# KiCad board robot-hub_rev3.kicad_pcb
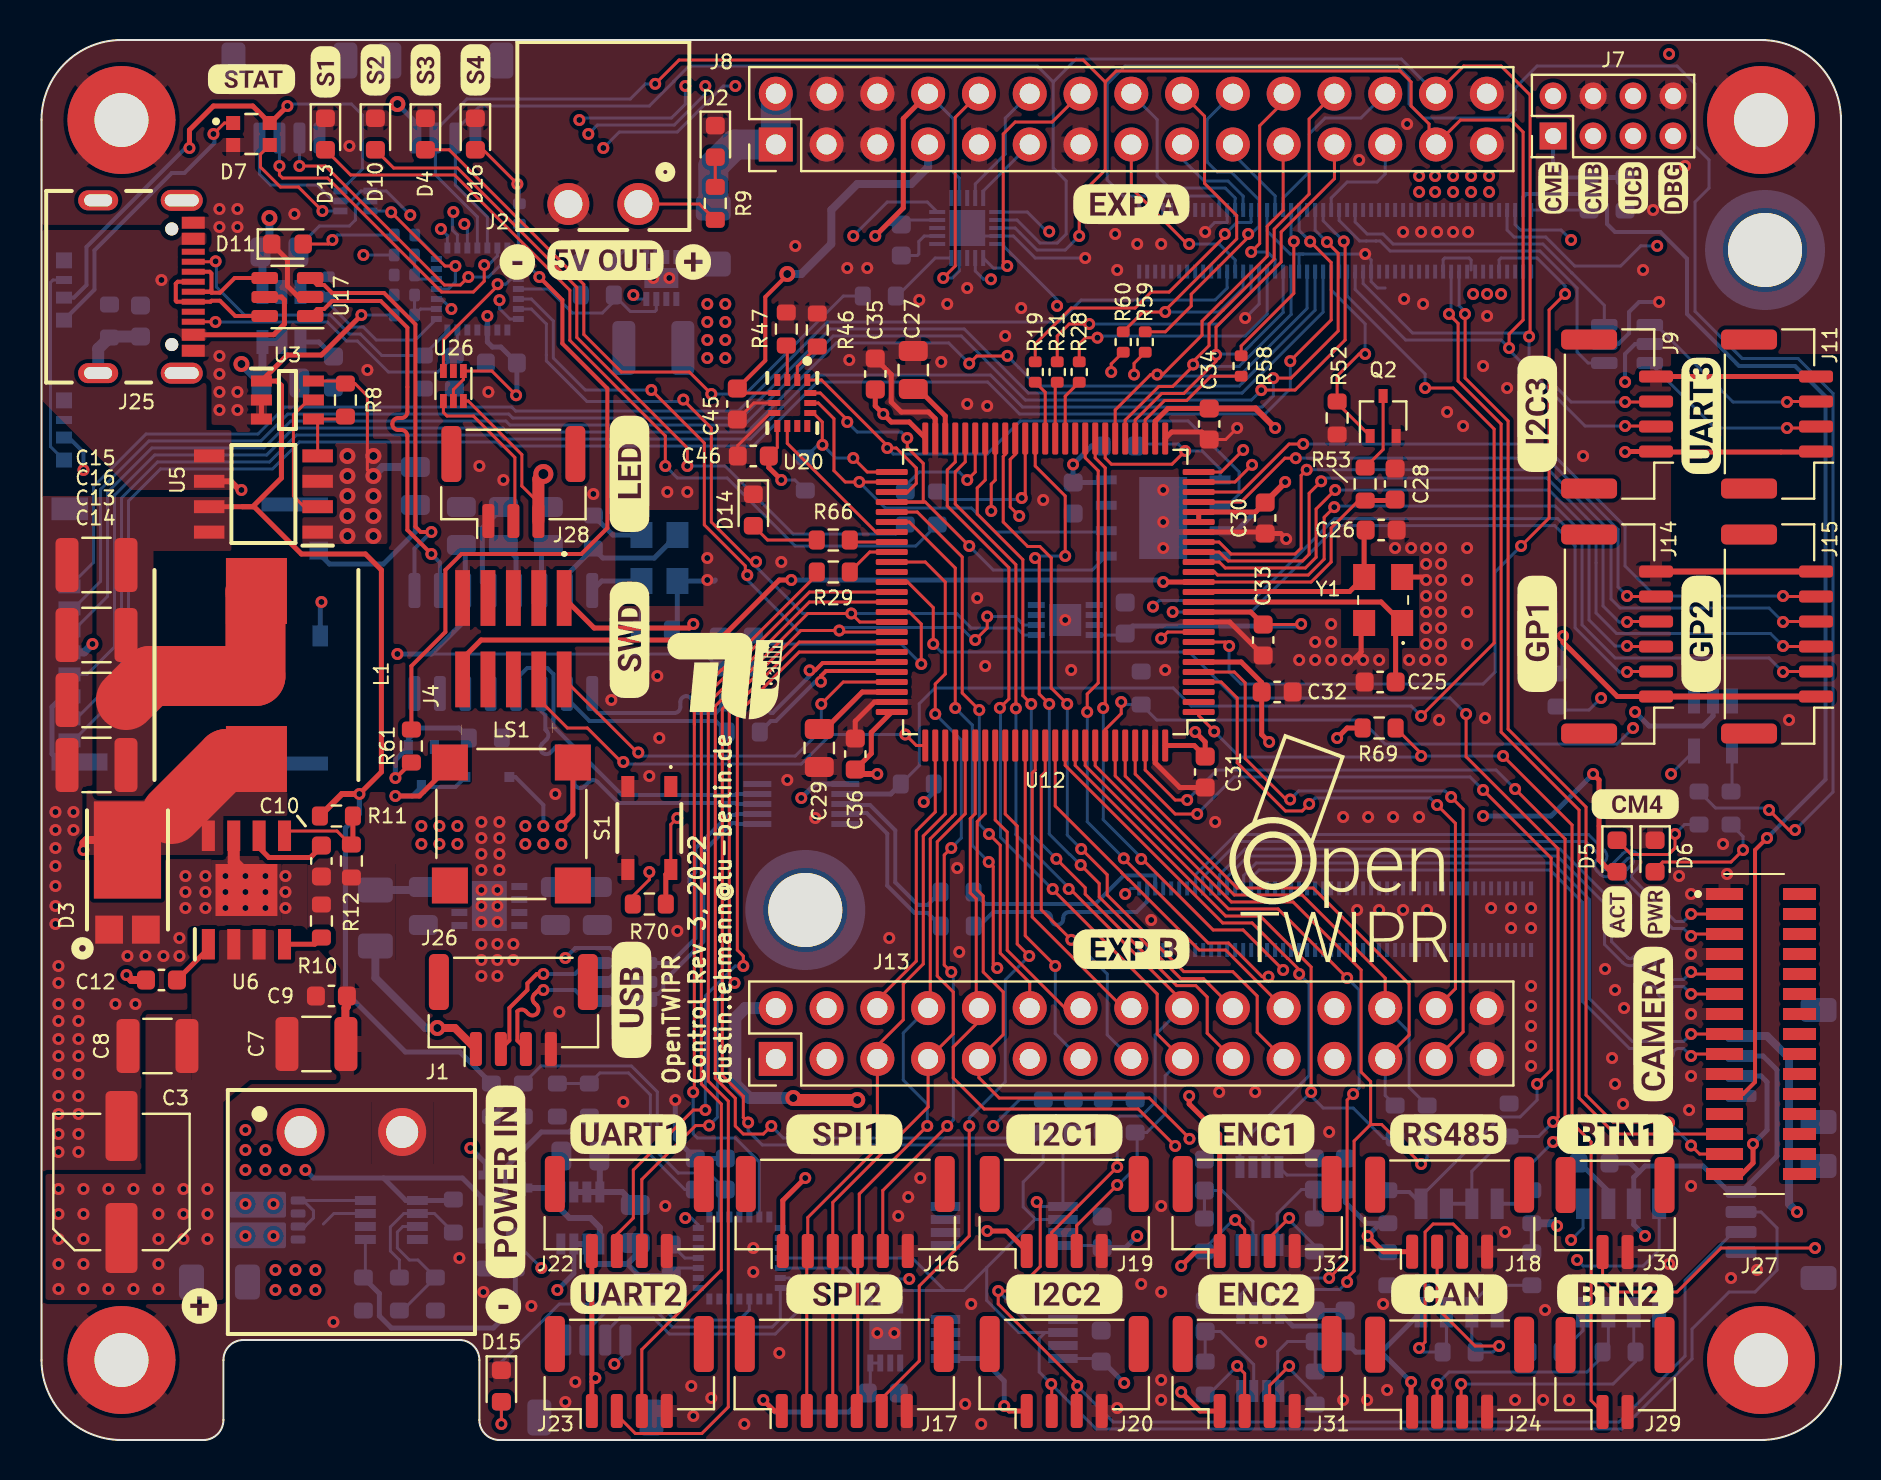
[diagram p0: board, top side]
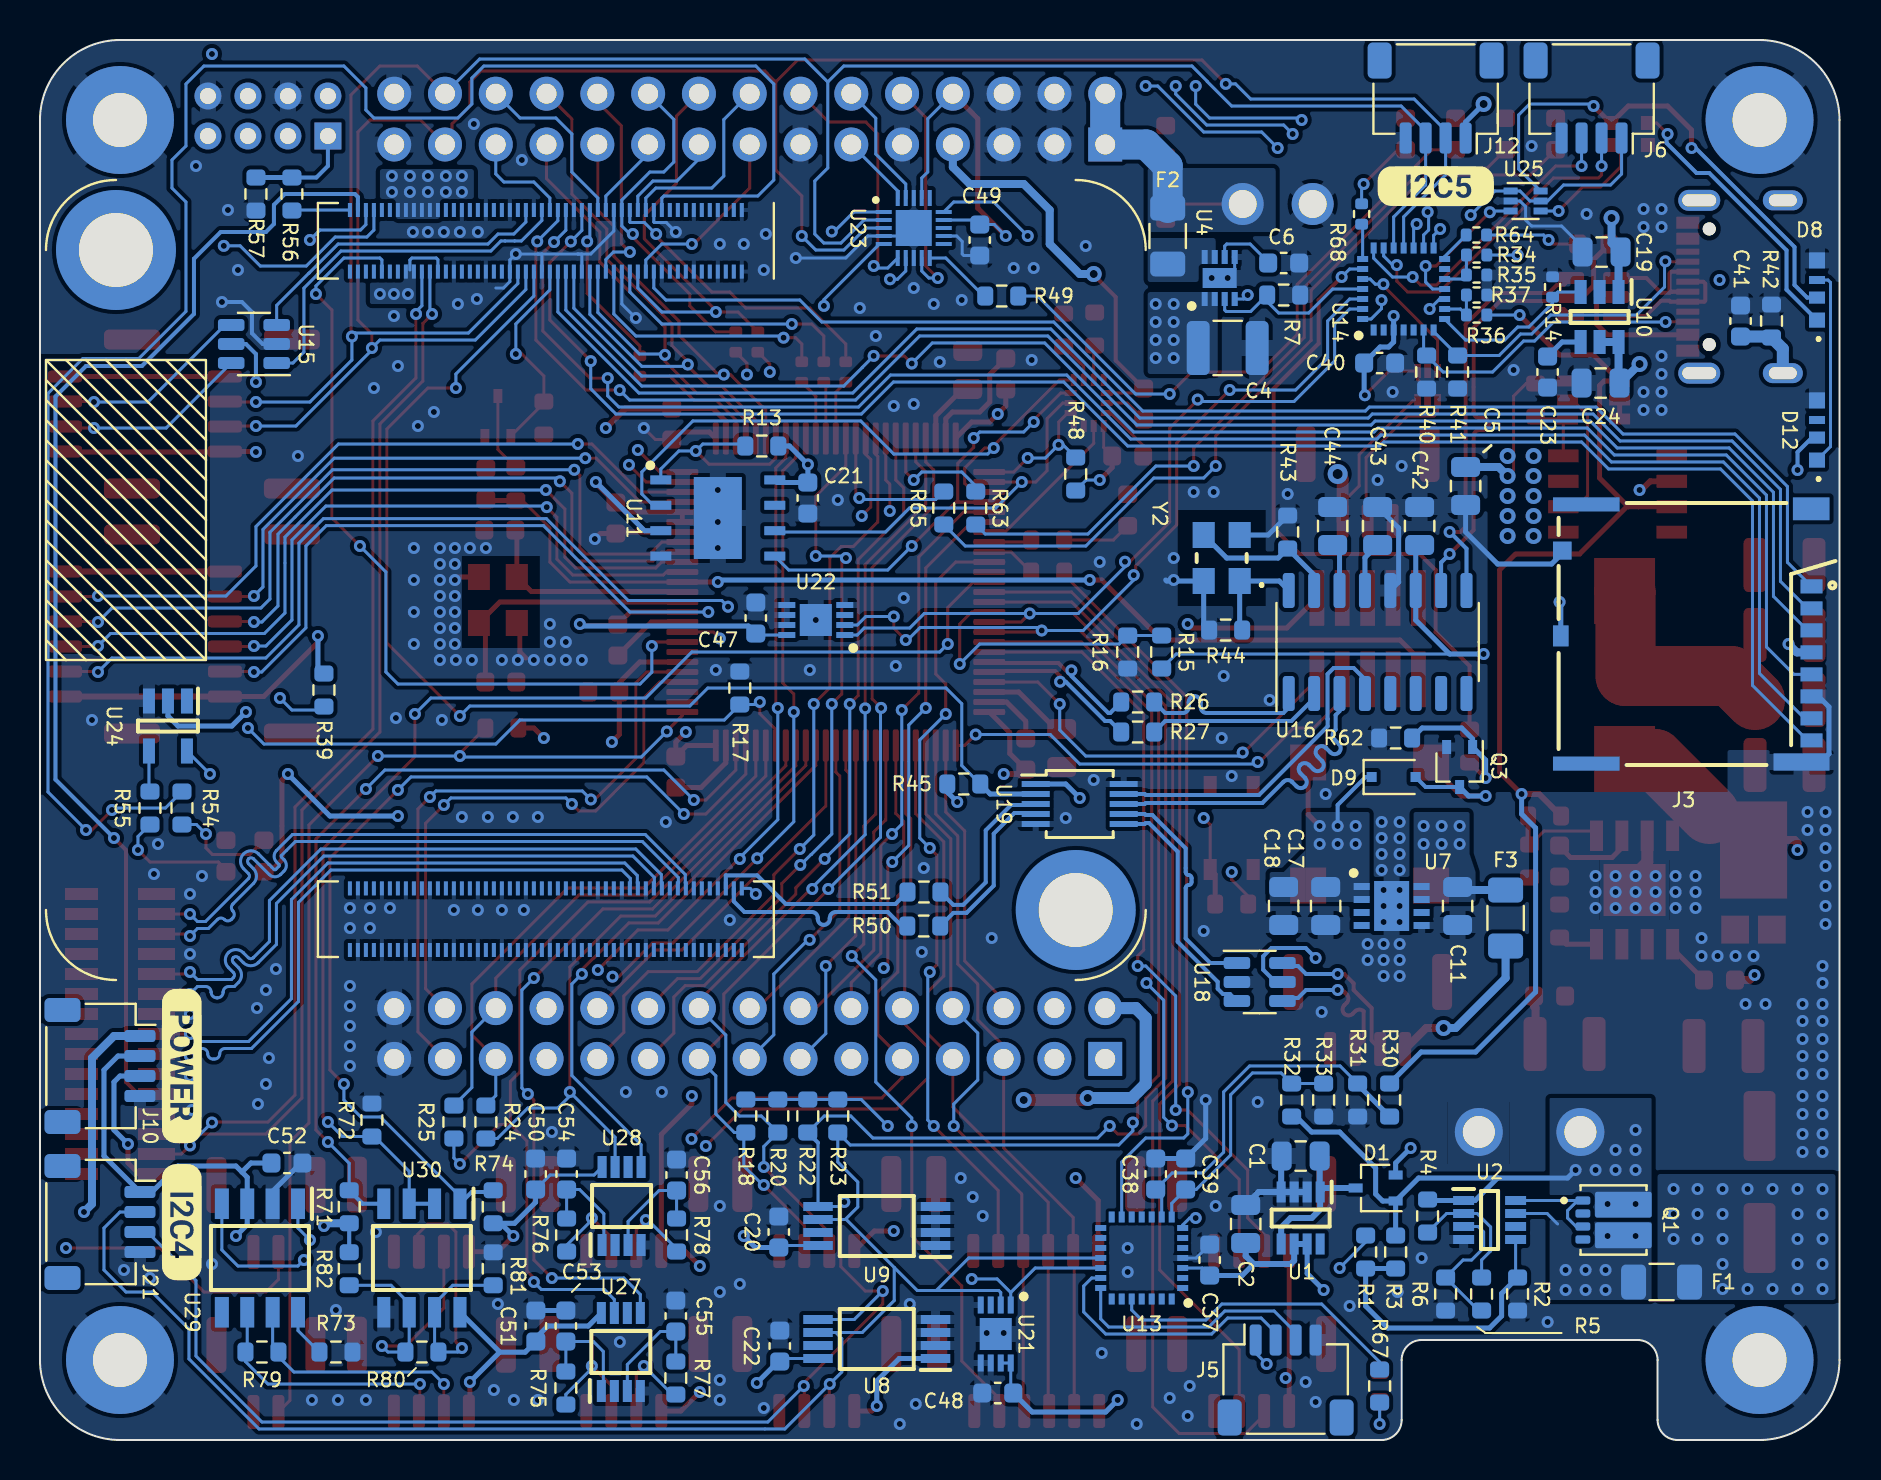
[diagram p1: board, bottom side, seen from below]

Outline 90 x 70 mm; copper layers: Top, In1.Cu, In2.Cu, Bottom. Coordinates in mm from the lower left corner of the outline.
Outline path: 0,66 0,4 arc(1.17,1.17) 4,0 8.1,0 arc(8.81,0.29) 9.1,1 9.1,4 arc(9.39,4.71) 10.1,5 20.9,5 arc(21.61,4.71) 21.9,4 21.9,1 arc(22.19,0.29) 22.9,0 86,0 arc(88.83,1.17) 90,4 90,66 arc(88.83,68.83) 86,70 4,70 arc(1.17,68.83) 0,66
Stack: Top 0.035mm / dielectric 0.5mm FR4 er 4.5 / In1.Cu 0.035mm / dielectric 0.5mm FR4 er 4.5 / In2.Cu 0.035mm / dielectric 0.5mm FR4 er 4.5 / Bottom 0.035mm

## Placement (name value [footprint] x y rotation side)
C1  1u  [C_0805_2012Metric]  26.95 14.2 0 bottom
C2  2u2  [C_0805_2012Metric]  29.7 10.8 90 bottom
C3  47uF  [CP_Elec_6.3x5.2]  4 12.9 90 top
C4  4.7u/50V  [C_1210_3225Metric]  30.6 54.6 180 bottom
C5  10u  [C_0805_2012Metric]  18.7 47.7 270 bottom
C6  220p  [C_0603_1608Metric]  27.8 58.85 0 bottom
C7  4.7u/50V  [C_1210_3225Metric]  13.75 19.8 0 top
C8  4.7u/50V  [C_1210_3225Metric]  5.8 19.7 180 top
C9  0.22u/50V  [C_0603_1608Metric]  14.5 22.2 0 top
C10  22nF  [C_0603_1608Metric]  14 28.95 270 top
C11  1u  [C_0805_2012Metric]  19.1 26.7 270 bottom
C12  100n / 16V  [C_0603_1608Metric]  6 23 180 top
C13  4x 47uF / 16V / X7R  [C_1210_3225Metric]  2.75 37 180 top
C14  C_Small  [C_1210_3225Metric]  2.75 33.75 180 top
C15  C_Small  [C_1210_3225Metric]  2.75 43.75 180 top
C16  C_Small  [C_1210_3225Metric]  2.75 40.25 180 top
C17  10u  [C_0805_2012Metric]  25.7 26.7 270 bottom
C18  10u  [C_0805_2012Metric]  27.8 26.7 270 bottom
C19  33u  [C_0805_2012Metric]  11.9 59.4 0 bottom
C20  100n  [C_0603_1608Metric]  53.05 10.4 90 bottom
C21  100n  [C_0603_1608Metric]  51.6 47.1 90 bottom
C22  100n  [C_0603_1608Metric]  53 4.7 90 bottom
C23  4n7  [C_0603_1608Metric]  14.6 53.4 270 bottom
C24  2u2  [C_0805_2012Metric]  11.95 52.85 0 bottom
C25  20pF  [C_0603_1608Metric]  66.95 37.9 180 top
C26  20pF  [C_0603_1608Metric]  67 45.5 0 top
C27  2u2  [C_0805_2012Metric]  43.6 53.5 270 top
C28  100n  [C_0603_1608Metric]  67.7 47.8 90 top
C29  2u2  [C_0805_2012Metric]  38.9 34.6 90 top
C30  100n  [C_0603_1608Metric]  61.2 46.1 270 top
C31  100n  [C_0603_1608Metric]  58.2 33.4 270 top
C32  100n  [C_0603_1608Metric]  61.8 37.4 0 top
C33  100n  [C_0603_1608Metric]  61.1 40 270 top
C34  100n  [C_0603_1608Metric]  58.4 50.8 90 top
C35  100n  [C_0603_1608Metric]  41.7 53.3 90 top
C36  100n  [C_0603_1608Metric]  40.7 34.3 90 top
C37  100n  [C_0603_1608Metric]  31.5 9 90 bottom
C38  100n  [C_0603_1608Metric]  34.2 13.3 270 bottom
C39  100n  [C_0603_1608Metric]  32.7 13.3 270 bottom
C40  0.1u  [C_0603_1608Metric]  23 53.85 180 bottom
C41  22p  [C_0603_1608Metric]  4.95 55.95 90 bottom
C42  100n  [C_0805_2012Metric]  21 45.7 90 bottom
C43  10u  [C_0805_2012Metric]  23.1 45.7 90 bottom
C44  10u  [C_0805_2012Metric]  25.35 45.7 90 bottom
C45  100n  [C_0603_1608Metric]  34.8 51.8 270 top
C46  100n  [C_0603_1608Metric]  35.6 49.2 180 top
C47  100n  [C_0603_1608Metric]  54.2 41.1 90 bottom
C48  100n  [C_0603_1608Metric]  42.1 2.35 0 bottom
C49  100n  [C_0603_1608Metric]  43 60 270 bottom
C50  0.1u  [C_0603_1608Metric]  65.21 13.3 90 bottom
C51  0.1u  [C_0603_1608Metric]  65.2 5.7 90 bottom
C52  100n  [C_0603_1608Metric]  77.65 13.85 180 bottom
C53  100p  [C_0603_1608Metric]  63.7 5.7 90 bottom
C54  100p  [C_0603_1608Metric]  63.66 13.3 90 bottom
C55  100p  [C_0603_1608Metric]  58.2 6.2 90 bottom
C56  100p  [C_0603_1608Metric]  58.16 13.25 90 bottom
D1  BAT54CW  [SOT-323_SC-70]  23.2 12.6 0 bottom
D2  EXT_PWR_LED  [LED_0603_1608Metric]  33.7 64.93 270 top
D3  PDS760-13  [POWERDI5]  4.3 29.5 0 top
D4  CM4_LED  [LED_0603_1608Metric]  19.2 65.3 270 top
D5  ACT_LED_CM4  [LED_0603_1608Metric]  78.8 29.2 270 top
D6  PWR_LED_CM4  [LED_0603_1608Metric]  80.7 29.2 270 top
D7  WS2812-2020  [ws2812_2020]  10.5 65.3 0 top
D8  SK6812_SIDE  [SK6812SIDE]  0.8 57.5 90 bottom
D9  1N4148  [D_SOD-323F]  22.3 33.15 180 bottom
D10  UC_LED2  [LED_0603_1608Metric]  16.7 65.3 270 top
D11  USB_LED  [LED_0603_1608Metric]  12.3 59.8 0 top
D12  SK6812_SIDE  [SK6812SIDE]  0.8 50.5 90 bottom
D13  UC_LED1  [LED_0603_1608Metric]  14.2 65.3 270 top
D14  UC_ACT_LED  [LED_0603_1608Metric]  35.6 46.5 270 top
D15  PWR_LED  [LED_0603_1608Metric]  23 2.7 270 top
D16  G031_LED  [LED_0603_1608Metric]  21.7 65.3 270 top
F1  5A Fuse  [Fuse_1206_3216Metric]  8.9 7.9 180 bottom
F2  Fuse_Small  [Fuse_1206_3216Metric]  33.6 60.2 90 bottom
F3  1A Fuse  [Fuse_1206_3216Metric]  16.7 26.1 270 bottom
G***  LOGO  [camera]  80.6 20.8 90 top
G***#2  LOGO  [s4]  21.7 68.5 90 top
G***#3  LOGO  [cm4_boot]  77.6 62.6 90 top
G***#4  LOGO  [s1]  14.2 68.4 90 top
G***#5  LOGO  [enc2]  60.75 7.3 0 top
G***#6  LOGO  [stat]  10.5 68.05 0 top
G***#7  LOGO  [expb]  54.5 24.55 0 top
G***#8  LOGO  [opentwipr_12]  65.4 29.4 0 top
G***#9  LOGO  [enc1]  60.75 15.3 0 top
G***#10  LOGO  [cm4_pwr]  80.7 26.4 90 top
G***#11  LOGO  [minus]  23.8 58.9 0 top
G***#12  LOGO  [spi1]  40.15 15.3 0 top
G***#13  LOGO  [btn1]  78.7 15.3 0 top
G***#14  LOGO  [i2c2]  51.15 7.3 0 top
G***#15  LOGO  [uart2]  29.35 7.3 0 top
G***#16  LOGO  [uc_boot]  79.6 62.6 90 top
G***#17  LOGO  [tub_6]  34.2 38.2 0 top
G***#18  LOGO  [i2c3]  74.8 51.3 90 top
G***#19  LOGO  [dbg_small]  81.6 62.6 90 top
G***#20  LOGO  [cm4]  79.7 31.8 0 top
G***#21  LOGO  [uart3]  83 51.2 90 top
G***#22  LOGO  [cm4_en]  75.6 62.6 90 top
G***#23  LOGO  [plus]  7.9 6.7 0 top
G***#24  LOGO  [swd]  29.4 40 90 top
G***#25  LOGO  [s2]  16.7 68.5 90 top
G***#26  LOGO  [rs485]  70.35 15.3 0 top
G***#27  LOGO  [spi2]  40.15 7.3 0 top
G***#28  LOGO  [uart1]  29.35 15.3 0 top
G***#29  LOGO  [led]  29.4 48.3 90 top
G***#30  LOGO  [5v_out_wopm]  28.2 59 0 top
G***#31  LOGO  [i2c1]  51.15 15.3 0 top
G***#32  LOGO  [gp2]  83 40.3 90 top
G***#33  LOGO  [power_in]  23.2 12.9 90 top
G***#34  LOGO  [s3]  19.2 68.5 90 top
G***#35  LOGO  [can]  70.4 7.3 0 top
G***#36  LOGO  [cm4_act]  78.8 26.4 90 top
G***#37  LOGO  [plus]  32.6 58.9 0 top
G***#38  LOGO  [usb]  29.5 22 90 top
G***#39  LOGO  [gp1]  74.8 40.3 90 top
G***#40  LOGO  [expa]  54.5 61.8 0 top
G***#41  LOGO  [minus]  23.1 6.7 0 top
G***#42  LOGO  [btn2]  78.7 7.3 0 top
G***#43  LOGO  [power]  82.9 18.7 270 bottom
G***#44  LOGO  [i2c5]  20.2 62.7 180 bottom
G***#45  LOGO  [i2c4]  82.9 10.9 270 bottom
H1  MountingHole  [WA-SMSI-25]  86.2 59.5 180 bottom
H2  MountingHole  [WA-SMSI-25]  38.2 26.5 180 bottom
H3  MountingHole_Pad  [MountingHole_2.7mm_M2.5_Pad]  86 4 0 top
H4  MountingHole_Pad  [MountingHole_2.7mm_M2.5_Pad]  4 66 0 top
H5  MountingHole_Pad  [MountingHole_2.7mm_M2.5_Pad]  86 66 0 top
H6  MountingHole_Pad  [MountingHole_2.7mm_M2.5_Pad]  4 4 0 top
J1  POWER_IN  [691313510002]  15.5 15.4 0 top
J2  5V_OUT  [691322110002]  28.1 61.8 180 top
J3  -  [503398-1892]  0 46.85 270 bottom
J4  SWD  [FTSH10501LDVK]  23.6 42.1 180 top
J5  HARDWARE-SUPERVISOR_PRG  [JST_SH_SM04B-SRSS-TB_1x04-1MP_P1.00mm_Horizontal]  27.7 3 180 bottom
J6  LED-DRIVER_SWD  [JST_SH_SM04B-SRSS-TB_1x04-1MP_P1.00mm_Horizontal]  12.4 67.1 0 bottom
J7  JUMPER_BLOCK  [PinHeader_2x04_P2.00mm_Vertical]  75.6 65.2 90 top
J8  EXPANSION A  [PinHeader_2x15_P2.54mm_Vertical]  36.73 64.77 90 top
J9  CM4_I2C  [JST_GH_BM04B-GHS-TBT_1x04-1MP_P1.25mm_Vertical]  78.8 51.3 90 top
J10  POWER_BACK  [JST_SH_SM04B-SRSS-TB_1x04-1MP_P1.00mm_Horizontal]  87 18.7 270 bottom
J11  CM4_UART  [JST_GH_BM04B-GHS-TBT_1x04-1MP_P1.25mm_Vertical]  86.8 51.3 90 top
J12  CM4_I2C_UB  [JST_SH_SM04B-SRSS-TB_1x04-1MP_P1.00mm_Horizontal]  20.2 67.1 0 bottom
J13  EXPANSION B  [PinHeader_2x15_P2.54mm_Vertical]  36.73 19.05 90 top
J14  UC_EXP_1  [JST_GH_BM06B-GHS-TBT_1x06-1MP_P1.25mm_Vertical]  78.8 40.3 90 top
J15  UC_EXP_2  [JST_GH_BM06B-GHS-TBT_1x06-1MP_P1.25mm_Vertical]  86.8 40.3 90 top
J16  UC_SPI_1  [JST_GH_BM06B-GHS-TBT_1x06-1MP_P1.25mm_Vertical]  40.2 11.4 0 top
J17  UC_SPI_2  [JST_GH_BM06B-GHS-TBT_1x06-1MP_P1.25mm_Vertical]  40.15 3.4 0 top
J18  UC_RS485  [JST_GH_BM04B-GHS-TBT_1x04-1MP_P1.25mm_Vertical]  70.42 11.37 0 top
J19  UC_I2C_1  [JST_GH_BM04B-GHS-TBT_1x04-1MP_P1.25mm_Vertical]  51.15 11.4 0 top
J20  UC_I2C_2  [JST_GH_BM04B-GHS-TBT_1x04-1MP_P1.25mm_Vertical]  51.15 3.4 0 top
J21  I2C_BACK_1  [JST_SH_SM04B-SRSS-TB_1x04-1MP_P1.00mm_Horizontal]  87 10.9 270 bottom
J22  UC_UART_1  [JST_GH_BM04B-GHS-TBT_1x04-1MP_P1.25mm_Vertical]  29.4 11.4 0 top
J23  UC_UART_2  [JST_GH_BM04B-GHS-TBT_1x04-1MP_P1.25mm_Vertical]  29.4 3.4 0 top
J24  UC_CAN  [JST_GH_BM04B-GHS-TBT_1x04-1MP_P1.25mm_Vertical]  70.42 3.37 0 top
J25  USB4105-GF-A  [GCT_USB4105-GF-A]  2.84 57.66 270 top
J26  USB_EXT  [JST_GH_BM04B-GHS-TBT_1x04-1MP_P1.25mm_Vertical]  23.6 21.5 0 top
J27  Camera  [117342485]  84.15 20.3 90 top
J28  LED_EXT  [JST_GH_BM03B-GHS-TBT_1x03-1MP_P1.25mm_Vertical]  23.6 47.9 0 top
J29  USER_BTN_EXT  [JST_GH_BM02B-GHS-TBT_1x02-1MP_P1.25mm_Vertical]  78.7 3.35 0 top
J30  USER_BTN_EXT_2  [JST_GH_BM02B-GHS-TBT_1x02-1MP_P1.25mm_Vertical]  78.7 11.35 0 top
J31  ENCODER_1  [JST_GH_BM04B-GHS-TBT_1x04-1MP_P1.25mm_Vertical]  60.8 3.4 0 top
J32  ENCODER_2  [JST_GH_BM04B-GHS-TBT_1x04-1MP_P1.25mm_Vertical]  60.8 11.4 0 top
L1  744325550  [INDPM105102X500N]  10.75 38.25 90 top
LS1  CMT-7525-80-SMT-TR  [XDCR_CMT-7525-80-SMT-TR]  23.5 30.8 270 top
Module1  ComputeModule4  [Raspberry-Pi-4-Compute-Module]  86.2 59.5 270 bottom
Q1  CSD87503Q3ET  [TRANS_CSD87503Q3ET]  11.3 11 180 bottom
Q2  BSS138  [SOT-323_SC-70]  67.1 51.2 90 top
Q3  BC817  [SOT-323_SC-70]  19 33.65 270 bottom
R1  0  [R_0603_1608Metric]  23.7 9.4 90 bottom
R2  33k  [R_0603_1608Metric]  16.1 7.3 90 bottom
R3  DNP  [R_0603_1608Metric]  22.2 9.4 90 bottom
R4  55k  [R_0603_1608Metric]  20.6 11.2 270 bottom
R5  55k  [R_0603_1608Metric]  17.9 7.3 270 bottom
R6  2M  [R_0603_1608Metric]  19.7 7.3 270 bottom
R7  10k  [R_0603_1608Metric]  27.8 57.25 0 bottom
R8  470k  [R_0603_1608Metric]  15.2 52 270 top
R9  5k  [R_0603_1608Metric]  33.7 61.83 270 top
R10  59k  [R_0603_1608Metric]  14 25.95 90 top
R11  100k  [R_0603_1608Metric]  14.75 31.2 0 top
R12  16.8k  [R_0603_1608Metric]  15.5 28.95 270 top
R13  10k  [R_0603_1608Metric]  53.9 49.7 0 bottom
R14  10k  [R_0402_1005Metric]  14.35 57.65 270 bottom
R15  10k  [R_0603_1608Metric]  33.9 39.4 90 bottom
R16  10k  [R_0603_1608Metric]  35.6 39.4 270 bottom
R17  10k  [R_0603_1608Metric]  55 37.6 90 bottom
R18  4.7k  [R_0603_1608Metric]  54.7 16.2 270 bottom
R19  100  [R_0402_1005Metric]  49.7 53.4 90 top
R20  4.7k  [R_0603_1608Metric]  53.1 16.2 270 bottom
R21  100  [R_0402_1005Metric]  50.8 53.4 90 top
R22  4.7k  [R_0603_1608Metric]  51.6 16.2 270 bottom
R23  4.7k  [R_0603_1608Metric]  50.1 16.2 270 bottom
R24  NC  [R_0603_1608Metric]  67.7 15.9 270 bottom
R25  NC  [R_0603_1608Metric]  69.3 15.9 270 bottom
R26  22  [R_0603_1608Metric]  35.1 36.9 180 bottom
R27  22  [R_0603_1608Metric]  35.1 35.4 180 bottom
R28  100  [R_0402_1005Metric]  51.9 53.4 270 top
R29  1k  [R_0603_1608Metric]  39.6 43.4 0 top
R30  20k  [R_0603_1608Metric]  22.5 17 90 bottom
R31  20k  [R_0603_1608Metric]  24.1 17 90 bottom
R32  1M  [R_0603_1608Metric]  27.4 17 270 bottom
R33  100k  [R_0603_1608Metric]  25.8 17 90 bottom
R34  10k  [R_0402_1005Metric]  18.15 59.25 180 bottom
R35  10k  [R_0402_1005Metric]  18.15 58.25 0 bottom
R36  10k  [R_0402_1005Metric]  18.15 56.25 180 bottom
R37  10k  [R_0402_1005Metric]  18.15 57.25 0 bottom
R39  1k  [R_0603_1608Metric]  75.8 37.5 270 bottom
R40  5.1k  [R_0603_1608Metric]  20.65 53.4 270 bottom
R41  5.1k  [R_0603_1608Metric]  19.1 53.4 270 bottom
R42  1M  [R_0603_1608Metric]  3.4 55.95 90 bottom
R43  NC  [R_0603_1608Metric]  27.6 45.4 90 bottom
R44  NC  [R_0603_1608Metric]  30.7 40.5 180 bottom
R45  10k  [R_0603_1608Metric]  43.8 32.8 180 bottom
R46  309k  [R_0603_1608Metric]  38.8 55.5 90 top
R47  309k  [R_0603_1608Metric]  37.25 55.55 90 top
R48  10k  [R_0603_1608Metric]  38.2 48.3 90 bottom
R49  1k  [R_0603_1608Metric]  41.9 57.2 180 bottom
R50  22  [R_0603_1608Metric]  45.8 25.7 180 bottom
R51  22  [R_0603_1608Metric]  45.79 27.4 180 bottom
R52  10k  [R_0603_1608Metric]  64.8 51.1 270 top
R53  0  [R_0603_1608Metric]  66.2 47.8 270 top
R54  1k  [R_0603_1608Metric]  82.9 31.6 90 bottom
R55  1k  [R_0603_1608Metric]  84.5 31.6 90 bottom
R56  100  [R_0603_1608Metric]  77.4 62.3 90 bottom
R57  10k  [R_0603_1608Metric]  79.2 62.3 90 bottom
R58  1k  [R_0402_1005Metric]  60 53.7 270 top
R59  1k  [R_0402_1005Metric]  55.2 54.9 270 top
R60  1k  [R_0402_1005Metric]  54.1 54.9 270 top
R61  180  [R_0603_1608Metric]  18.5 34.7 90 top
R62  10k  [R_0603_1608Metric]  22.2 35.1 0 bottom
R63  1k  [R_0603_1608Metric]  43.2 46.6 270 bottom
R64  1k  [R_0402_1005Metric]  18.16 60.25 180 bottom
R65  1k  [R_0603_1608Metric]  44.8 46.6 270 bottom
R66  1k  [R_0603_1608Metric]  39.6 45 180 top
R67  1k  [R_0603_1608Metric]  23 2.7 270 bottom
R68  1k  [R_0402_1005Metric]  23.9 61.3 90 bottom
R69  10k  [R_0603_1608Metric]  66.9 35.6 0 top
R70  10k  [R_0603_1608Metric]  30.4 26.8 0 top
R71  10k  [R_0603_1608Metric]  74.54 11.66 90 bottom
R72  10k  [R_0603_1608Metric]  73.4 16 90 bottom
R73  10k  [R_0603_1608Metric]  75.2 4.4 180 bottom
R74  10k  [R_0603_1608Metric]  67.33 11.66 90 bottom
R75  1k  [R_0603_1608Metric]  63.7 2.6 270 bottom
R76  1k  [R_0603_1608Metric]  63.66 10.25 270 bottom
R77  1k  [R_0603_1608Metric]  58.2 3.1 270 bottom
R78  1k  [R_0603_1608Metric]  58.16 10.25 270 bottom
R79  120  [R_0603_1608Metric]  78.9 4.4 0 bottom
R80  120  [R_0603_1608Metric]  70.9 4.4 0 bottom
R81  390 (NC)  [R_0603_1608Metric]  67.33 8.56 270 bottom
R82  390 (NC)  [R_0603_1608Metric]  74.54 8.56 90 bottom
S1  -  [434123025826]  30.4 30.6 270 top
U1  LT3008ETS8#TRMPBF  [SOT65P280X100-8N]  26.95 11.1 270 bottom
U2  LTC4365CTS8#TRMPBF  [SOT65P280X100-8N]  17.5 11 180 bottom
U3  LTC4412ES6#TRMPBF  [SOT95P280X100-6N]  12.3 52 0 top
U4  TPS22975NDSGT  [SON50P200X200X80-9N]  31 58.1 90 bottom
U5  IRF9358TRPBF  [SOIC127P600X175-8N]  11.1 47.3 180 top
U6  LMR14050SSQDDARQ1  [SOIC127P600X170-9N]  10.25 27.5 90 top
U7  NCV8187AMLE330TCG  [SON65P300X300X100-9N-D]  22.4 26.7 180 bottom
U8  M24512-DFDW6TP  [SOP65P640X120-8N]  48.15 5.05 0 bottom
U9  M24512-DFDW6TP  [SOP65P640X120-8N]  48.15 10.7 0 bottom
U10  TPS22810TDBVRQ1  [SOT95P280X145-6N]  12 56.15 270 bottom
U11  FM25V20A-DGQTR  [SON127P600X500X80-9N]  56.1 46.1 180 bottom
U12  STM32H743VITx  [LQFP-100_14x14mm_P0.5mm]  50.2 42.4 180 top
U13  STM32G031G6U6  [QFN50P400X400X60-28N-D]  34.9 9.1 0 bottom
U14  STM32G031G6U6  [QFN50P400X400X60-28N-D]  21.8 57.55 90 bottom
U15  USBLC6-2SC6  [SOT-23-6]  79.3 54.8 0 bottom
U16  SL2.1A  [SO-16_3.9x9.9mm_P1.27mm]  23.1 39.9 90 bottom
U17  USBLC6-2SC6  [SOT-23-6]  12.3 57.15 180 top
U18  USBLC6-2SC6  [SOT-23-6]  29 22.9 180 bottom
U19  FSUSB42MUX  [MSOP-10_3x3mm_P0.5mm]  38 31.8 180 bottom
U20  BMX160  [PQFN50P300X250X88-14N]  37.55 51.85 270 top
U21  PCT2075TP,147  [SON50P300X200X80-9N]  42.2 5.3 270 bottom
U22  PCT2075TP,147  [SON50P300X200X80-9N]  51.2 41 0 bottom
U23  SX1508BIULTRT  [QFN40P300X300X60-21N]  46.3 60.6 180 bottom
U24  MC74VHC1G14DTT1G  [SOT95P275X110-5N]  83.6 35.7 270 bottom
U25  74LVC1T45Z6-7  [SOT-563]  15.7 61.95 180 bottom
U26  74LVC1T45Z6-7  [SOT-563]  20.6 52.7 270 top
U27  SN74LVC3G17DCTR  [SOP65P400X130-8N]  60.95 4.4 90 bottom
U28  SN74LVC3G17DCTR  [SOP65P400X130-8N]  60.91 11.7 90 bottom
U29  SN65HVD230  [SOIC127P600X175-8N#2]  79 9.1 270 bottom
U30  MAX3485  [SOIC127P600X175-8N]  70.9 9.1 270 bottom
Y1  ‎ECS-250-20-33-TR‎  [ECS2501833BCKYTR]  67.1 42 90 top
Y2  ECS-120-20-33-CKM-TR  [ECS1202033CKMTR]  30.9 44.1 90 bottom

## Library data of the parts
C1 C2 C4-C56 = -: ki_fp_filters: C_*
C3 = -: ki_fp_filters: CP_*
D1 = -: Datasheet: https://assets.nexperia.com/documents/data-sheet/BAT54W_SER.pdf; ki_fp_filters: SOT?323*
D2 D4 D10 D11 D13-D16 = -: ki_fp_filters: LED* LED_SMD:* LED_THT:*
D3 = -: Description: Diode Schottky 60V 7A 3Pin PowerDI 5 Diodes Inc PDS760-13, SMT Schottky Diode, 60V 7A, 3-Pin PowerDI 5; Manufacturer_Name: Diodes Inc.; Mouser Part Number: 621-PDS760-F; Mouser Price/Stock: https://www.mouser.co.uk/ProductDetail/Diodes-Incorporated/PDS760-13?qs=%2FNF5U5UGuWlxwy7NIrHVWQ%3D%3D
D5 = -: Datasheet: http://optoelectronics.liteon.com/upload/download/DS22-2000-226/LTST-S270KGKT.pdf; Field4: Digikey; Field5: LTST-S270KGKT; Field6: SML-A12M8TT86N; Field7: Rohm; Field8: 650263301; Part Description: Green 572nm LED Indication - Discrete 2.2V 2-SMD, No Lead; ki_fp_filters: LED* LED_SMD:* LED_THT:*
D6 = -: Datasheet: http://optoelectronics.liteon.com/upload/download/DS22-2000-210/LTST-S270KRKT.pdf; Field4: Digikey; Field5: LTST-S270KRKT; Field6: SML-A12U8TT86Q; Field7: Rohm; Field8: 650295101; Part Description: Red 620nm LED Indication - Discrete 2.2V 2-SMD, No Lead; ki_fp_filters: LED* LED_SMD:* LED_THT:*
D7 = -: MANUFACTURER: Worldsemi; STANDARD: Manufacturer Recommendations
D8 D12 = -: Datasheet: https://drive.google.com/file/d/1ogB9Ikb2NH7tOdPVDoBaHqeA7tHurhhe/view?usp=sharing; Description: SK6812 SIDE/SK6805 SIDE is a smart LED control circuit; Height: 2.05; Manufacturer_Name: Shenzhen Normand Electronic; Manufacturer_Part_Number: SK6812 SIDE
D9 = -: ki_fp_filters: TO-???* *_Diode_* *SingleDiode* D_*
F1-F3 = -: ki_fp_filters: SM*
H1 H2 = -: ki_fp_filters: MountingHole*
H3-H6 = -: ki_fp_filters: MountingHole*Pad*
J1 J2 J5 J6 J9-J12 J14-J24 J26-J32 = -: ki_fp_filters: Connector*:*_1x??_*
J3 = -: Datasheet: http://www.molex.com/webdocs/datasheets/pdf/en-us//5033981892_MEMORY_CARD_SOCKET.pdf; Description: MicroSD SMT Push-Push 1.28mm height MicroSD SMT Push-Push 1.28mm height; Manufacturer_Name: Molex; Mouser Part Number: 538-503398-1892; Mouser Price/Stock: https://www.mouser.co.uk/ProductDetail/Molex/503398-1892?qs=b0v8CoHHvSMxV%252BW12iKaSg%3D%3D
J4 J7 J8 J13 = -: ki_fp_filters: Connector*:*_2x??_*
J25 = -: MANUFACTURER: GCT; MAXIMUM_PACKAGE_HEIGHT: 3.31 mm; PARTREV: A3; STANDARD: Manufacturer Recommendations
L1 = -: ki_fp_filters: Choke_* *Coil* Inductor_* L_*
LS1 = -: Field4: Manufacturer Recommendations; Field5: N/A; Field6: CUI Inc.
Module1 = -: Field4: Hirose; Field5: 2off DF40C-100DS-0.4V; Field6: 2off DF40C-100DS-0.4V; Field7: Hirose; Part Description: 100 Position Connector Receptacle, Center Strip Contacts Surface Mount Gold
Q1 = -: Description: 30V, N ch NexFET MOSFET, dual common source SON3x3, 21.9mOhm 8-VSON -55 to 150; Availability: Warning; MF: Texas Instruments; Package: VSON-8 Texas Instruments; Price: None; Purchase-URL: https://pricing.snapeda.com/search/part/CSD87503Q3ET/?ref=eda
Q2 = -: Datasheet: https://www.onsemi.com/pub/Collateral/BSS138-D.PDF; ki_fp_filters: SOT?23*
Q3 = -: Datasheet: http://www.fairchildsemi.com/ds/BC/BC817.pdf; ki_fp_filters: SOT?23*
R1-R37 R39-R44 R46-R51 R61-R70 R75-R78 = -: ki_fp_filters: R_*
R45 R73 R79 = -: Datasheet: https://fscdn.rohm.com/en/products/databook/datasheet/passive/resistor/chip_resistor/mcr-e.pdf; Field4: Farnell; Field5: 9239278; Field6: RK73G1ETQTP2201D; Field7: KOA EUROPE GMBH; Field8: 120889581; Part Description: Resistor 2.2K M1005 1% 63mW; ki_fp_filters: R_*
R52-R60 R71 R72 R74 R80-R82 = -: Datasheet: https://fscdn.rohm.com/en/products/databook/datasheet/passive/resistor/chip_resistor/mcr-e.pdf; Field4: Farnell; Field5: 9239235; Field6: RK73H1ETTP1001F; Field7: KOA EUROPE GMBH; Field8: 125049511; Part Description: Resistor 1K M1005 1% 63mW; ki_fp_filters: R_*
S1 = -: Datasheet: https://www.we-online.com/catalog/datasheet/434123025826.pdf; Description: TACT SWITCH 4.2X3.2MM VERTICAL T; Height: 2.7; Manufacturer_Name: Wurth Elektronik
U1 = -: Datasheet: https://datasheet.datasheetarchive.com/originals/distributors/Datasheets-SFU4/DSASF4000-3256.pdf; Description: Linear Technology LT3008ETS8#TRMPBF, LDO Voltage Regulator, Adjustable 20mA, 0.6  44.5 V +/-2%, 8-Pin TSOT-23; Height: 1; Manufacturer_Name: Analog Devices; Mouser Part Number: 584-LT3008ETS8TRMPBF; Mouser Price/Stock: https://www.mouser.co.uk/ProductDetail/Analog-Devices-Linear-Technology/LT3008ETS8TRMPBF?qs=ytflclh7QUUhj6PXQ8wLjA%3D%3D
U2 = -: Datasheet: http://cds.linear.com/docs/en/datasheet/4365fa.pdf; Description: Linear Technology LTC4365CTS8#TRMPBF, Voltage Controller 507.5mV max., 8-pin TSOT-23; Height: 1; Manufacturer_Name: Linear Technology; Mouser Part Number: 584-C4365CTS8TRMPBF; Mouser Price/Stock: https://www.mouser.co.uk/ProductDetail/Analog-Devices-Linear-Technology/LTC4365CTS8TRMPBF?qs=hVkxg5c3xu8SxEm78iiAdQ%3D%3D
U3 = -: Datasheet: http://cds.linear.com/docs/en/datasheet/4412fb.pdf; Description: Hot Swap Controller LTC4412ES6#TRMPBF, Positive Voltage, 2.5  28 V, TSOT-23, 6-Pin; Height: 1; Manufacturer_Name: Linear Technology; Mouser Part Number: 584-LTC4412ES6TRMPBF; Mouser Price/Stock: https://www.mouser.co.uk/ProductDetail/Analog-Devices-Linear-Technology/LTC4412ES6TRMPBF?qs=hVkxg5c3xu8vBeVp9%252BXk%252Bg%3D%3D